# Allegro board RK3576_TEMPLATE_LP4XD200P132SD6_24X34_2133MHz_H1R0_V11_20240529YWQ.brd (continued)
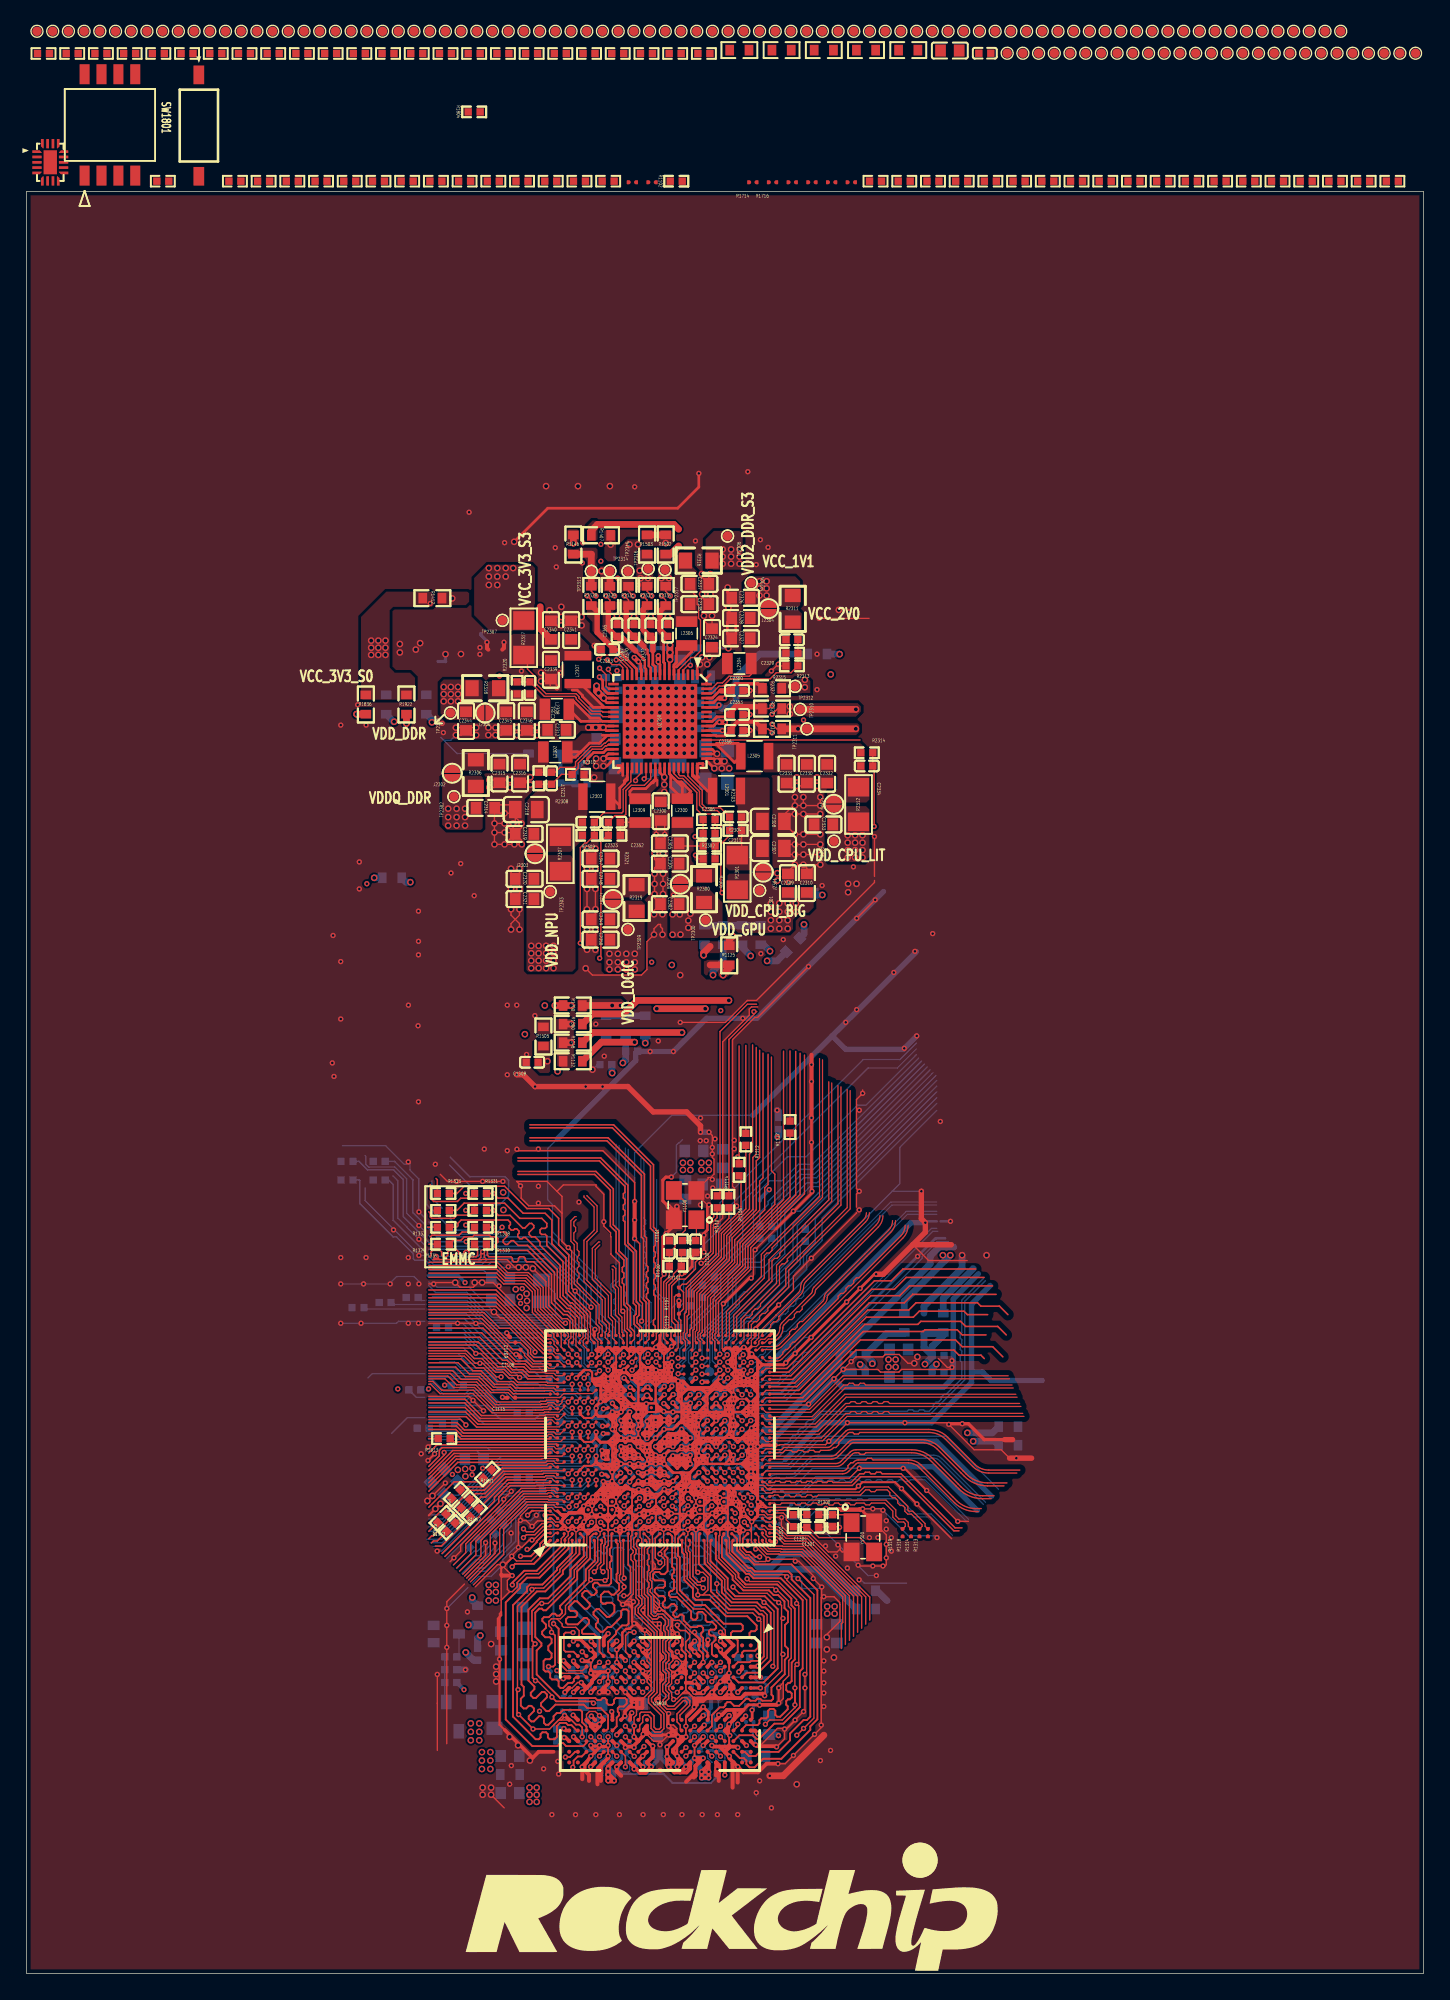
[diagram p0: board, top side]
## Placement (name value [footprint] x y rotation side) (continued)
NOREF  -  []  33.02 -0.51 0 top
Q3800  NC/WNM2016-3/TR  [SOT_23]  32.5 19.3 0 bottom
Q3801  WNM2021-3/TR  [SOT_323]  31.56 25.51 90 bottom
R1100  22R  [R0402]  49.31 54.65 270 top
R1101  510K  [R0402]  48.78 53.17 180 top
R1102  43K  [R0402]  48.85 134.75 0 top
R1103  100K  [R0402]  10.24 134.75 0 top
R1104  10K  [R0402]  44.45 144.35 0 top
R1106  0R  [R0402]  52.81 58.01 90 top
R1107  0R  [R0201]  49.05 51.28 270 top
R1109  0R  [R0402]  58.55 55.5 90 bottom
R1110  0R  [R0402]  51.92 58.01 90 top
R1111  0R  [R0402]  14.22 144.35 0 top
R1112  0R  [R0402]  54.08 62.71 90 top
R1114  0R  [R0402]  53.57 60.42 90 top
R1115  0R  [R0402]  16.38 144.35 0 top
R1116  0R  [R0402]  51.71 51.91 90 bottom
R1117  0R  [R0402]  55.14 55.72 90 bottom
R1118  0R  [R0402]  56.03 55.72 90 bottom
R1119  0.1R  [R0603]  50.96 78.07 270 bottom
R1120  0R  [R0402]  49.04 48.1 90 bottom
R1122  0R  [R0402]  50.82 51.28 90 bottom
R1123  0R  [R0402]  49.93 50.64 90 bottom
R1125  0.1R  [R0603]  52.83 76.54 90 top
R1130  0R  [R0402]  68.15 134.75 0 top
R1131  0R  [R0402]  70.31 134.75 0 top
R1132  0.1R  [R0603]  41.06 68.58 0 top
R1133  0R  [R0402]  72.47 134.75 0 top
R1136  0.1R  [R0603]  46.52 71.28 270 bottom
R1137  0R  [R0402]  57.4 63.63 90 top
R1140  0R  [R0402]  74.63 134.75 0 top
R1141  0.1R  [R0603]  56.77 144.6 0 top
R1145  0.1R  [R0603]  53.59 144.6 0 top
R1146  0.1R  [R0603]  41.11 107.43 270 top
R1148  0.1R  [R0603]  41.06 69.98 180 top
R1200  240R  [R0201]  49.01 35.81 270 bottom
R1201  240R  [R0201]  45.53 36.1 90 bottom
R1202  0R  [R0402]  33.91 24 90 bottom
R1203  NC/0R  [R0201]  43.56 36.55 180 bottom
R1300  22R  [R0402]  59.12 34.49 0 top
R1301  8.2K  [R0201]  53.59 36.49 315 bottom
R1302  510K  [R0402]  57.64 34.04 270 top
R1303  0R  [R0201]  56.51 35.66 0 bottom
R1304  0R  [R0201]  54.92 33.45 0 bottom
R1305  0R  [R0201]  56.51 36.3 0 bottom
R1306  0R  [R0201]  56.92 33.78 0 bottom
R1307  0R  [R0201]  57.78 34.62 0 bottom
R1308  0.1R  [R0603]  73.82 41.11 0 bottom
R1309  0R  [R0201]  57.78 35.26 0 bottom
R1310  0R  [R0201]  43.22 47.39 90 bottom
R1313  0R  [R0201]  67.77 33.14 270 top
R1314  0R  [R0201]  67.14 33.14 270 top
R1318  0R  [R0201]  66.5 33.14 270 top
R1319  0R  [R0201]  65.87 33.14 270 top
R1320  0.1R  [R0603]  63.1 27.39 0 bottom
R1323  0.1R  [R0603]  63.1 28.77 0 bottom
R1324  0.1R  [R0603]  73.82 39.71 0 bottom
R1328  0R  [R0402]  34.13 57.37 180 top
R1329  0R  [R0402]  31.34 56.1 180 top
R1330  0R  [R0402]  34.13 56.1 180 top
R1331  0R  [R0402]  34.13 58.64 180 top
R1332  0R  [R0402]  31.34 57.37 180 top
R1333  0R  [R0402]  31.34 58.64 180 top
R1334  0R  [R0402]  31.34 54.83 180 top
R1335  0R  [R0402]  34.13 54.83 180 top
R1336  0R  [R0402]  26.51 61.05 180 bottom
R1337  0R  [R0402]  26.51 59.65 180 bottom
R1338  0R  [R0402]  24.1 61.05 180 bottom
R1339  0R  [R0402]  24.1 59.65 180 bottom
R1346  0.1R  [R0603]  30.06 95.4 90 bottom
R1353  22R  [R0402]  39.75 44.68 180 bottom
R1354  0.1R  [R0603]  27.48 82.37 180 bottom
R1356  NC/0R  [R0402]  15.66 134.75 0 top
R1357  NC/0R  [R0402]  17.82 134.75 0 top
R1358  NC/0R  [R0402]  26.46 134.75 0 top
R1359  NC/0R  [R0402]  19.98 134.75 0 top
R1362  NC/0R  [R0402]  22.14 134.75 0 top
R1363  NC/0R  [R0402]  24.3 134.75 0 top
R1400  8.2K  [R0201]  54.44 40.65 0 bottom
R1401  200R  [R0201]  54.1 38.13 0 bottom
R1402  200R  [R0201]  54.96 41.53 270 bottom
R1403  0.1R  [R0603]  65.99 48.91 90 bottom
R1404  0.1R  [R0603]  58.49 81.23 180 bottom
R1405  10K  [R0402]  42.29 144.35 0 top
R1406  20K  [R0402]  37.97 144.35 0 top
R1407  0.1R  [R0603]  43.19 108.12 180 top
R1409  0.1R  [R0603]  68.92 48.91 90 bottom
R1412  0.1R  [R0603]  30.51 103.4 180 top
R1500  0.1R  [R0603]  41.06 71.37 180 top
R1501  0.1R  [R0603]  52.38 78.07 90 bottom
R1502  0.1R  [R0603]  48.05 107.43 270 top
R1503  NC/0.1R  [R0603]  46.66 107.43 270 top
R1504  0.1R  [R0603]  57.64 77.32 45 bottom
R1505  0.1R  [R0603]  38.86 70.44 90 top
R1506  0.1R  [R0603]  55.21 78.07 90 bottom
R1507  0.1R  [R0603]  43.57 71.28 90 bottom
R1600  8.2K  [R0201]  53.28 45.13 90 bottom
R1602  0.1R  [R0603]  53.79 78.07 90 bottom
R1700  0.1R  [R0603]  41.06 72.77 180 top
R1701  0.1R  [R0603]  45.04 71.28 90 bottom
R1702  0.1R  [R0603]  59.94 144.6 0 top
R1704  0R  [R0201]  57.57 134.67 0 top
R1706  0R  [R0201]  59.05 134.67 0 top
R1707  100K  [R0402]  40.13 144.35 0 top
R1709  0R  [R0201]  60.53 134.67 0 top
R1711  0R  [R0201]  62.01 134.67 0 top
R1712  10K  [R0402]  46.61 144.35 0 top
R1714  0R  [R0201]  54.61 134.67 0 top
R1716  0R  [R0201]  56.09 134.67 0 top
R1719  NC/0R  [R0201]  45.55 134.67 0 top
R1720  NC/0R  [R0201]  47.03 134.67 0 top
R1800  2.2K  [R0402]  28.62 134.75 0 top
R1801  2.2K  [R0402]  30.78 134.75 0 top
R1802  0R  [R0402]  35.22 34.44 225 bottom
R1803  0R  [R0402]  35.57 33.37 225 bottom
R1804  0R  [R0402]  33.66 139.95 0 top
R1806  0R  [R0402]  33.65 32.35 225 bottom
R1807  0R  [R0402]  76.79 134.75 0 top
R1808  0R  [R0402]  18.54 144.35 0 top
R1810  0R  [R0402]  20.7 144.35 0 top
R1812  0.1R  [R0603]  63.12 144.6 0 top
R1813  0R  [R0402]  39.73 46.61 135 bottom
R1814  0R  [R0402]  22.86 144.35 0 top
R1815  0R  [R0402]  26.95 50.44 180 bottom
R1816  0R  [R0402]  24.92 50.06 180 bottom
R1817  0R  [R0402]  25.02 144.35 0 top
R1818  0R  [R0402]  12.06 144.35 0 top
R1819  0R  [R0402]  31.27 48.56 180 bottom
R1820  0R  [R0402]  78.95 134.75 0 top
R1821  0R  [R0402]  27.18 144.35 0 top
R1822  0R  [R0402]  81.11 134.75 0 top
R1823  0R  [R0402]  28.99 50.82 180 bottom
R1824  0R  [R0402]  83.26 134.75 0 top
R1826  0.1R  [R0603]  66.29 144.6 0 top
R1827  0R  [R0402]  29.34 144.35 0 top
R1830  0R  [R0402]  85.42 134.75 0 top
R1832  0R  [R0402]  87.58 134.75 0 top
R1834  0R  [R0402]  89.74 134.75 0 top
R1836  0.1R  [R0603]  25.51 95.4 90 top
R1842  0R  [R0402]  65.99 134.75 0 top
R1845  2.2K  [R0402]  32.93 134.75 0 top
R1846  2.2K  [R0402]  35.09 134.75 0 top
R1904  0R  [R0402]  1.27 144.35 0 top
R1907  0R  [R0402]  3.43 144.35 0 top
R1908  0R  [R0402]  5.59 144.35 0 top
R1909  4.7K  [R0402]  48.77 144.35 0 top
R1910  4.7K  [R0402]  50.93 144.35 0 top
R1911  0R  [R0402]  63.83 134.75 0 top
R1912  0R  [R0402]  31.5 144.35 0 top
R1913  0R  [R0402]  31.4 40.21 180 top
R1914  0R  [R0402]  39.65 41.45 180 bottom
R1915  0R  [R0402]  91.9 134.75 0 top
R1916  2.2K  [R0402]  29.19 43.87 180 bottom
R1917  2.2K  [R0402]  32.4 44.22 0 bottom
R1918  0R  [R0402]  33.66 144.35 0 top
R1919  0R  [R0402]  35.81 144.35 0 top
R1920  0R  [R0402]  29.82 40.99 180 bottom
R1921  0R  [R0402]  31.72 41.32 180 bottom
R1922  0.1R  [R0603]  28.56 95.4 90 top
R1924  0R  [R0402]  7.75 144.35 0 top
R1925  0R  [R0402]  9.91 144.35 0 top
R1926  2.2K  [R0402]  37.25 134.75 0 top
R1927  2.2K  [R0402]  39.41 134.75 0 top
R1928  0R  [R0402]  32.28 36.03 225 top
R1929  0R  [R0402]  33 35.32 225 top
R1930  0R  [R0402]  31.22 34.22 225 top
R1931  0R  [R0402]  34.65 37.56 225 top
R1932  0R  [R0402]  33.68 34.63 225 top
R1933  0R  [R0402]  31.91 33.54 225 top
R1934  2.2K  [R0402]  41.57 134.75 0 top
R1935  2.2K  [R0402]  43.73 134.75 0 top
R1937  0.1R  [R0603]  27.03 95.4 90 bottom
R1938  0R  [R0402]  94.06 134.75 0 top
R1939  0R  [R0402]  96.22 134.75 0 top
R1942  0R  [R0402]  98.38 134.75 0 top
R1943  0R  [R0402]  100.54 134.75 0 top
R1946  0R  [R0402]  102.7 134.75 0 top
R1949  0R  [R0402]  37.34 42.16 180 bottom
R1951  0R  [R0402]  39.24 36.32 180 bottom
R1952  0R  [R0402]  39.75 39.32 180 bottom
R1953  0R  [R0402]  37.34 37.26 180 bottom
R2300  0.02R  [R0805]  50.94 81.52 90 top
R2301  0.01R  [R1206]  53.44 82.78 270 top
R2302  49.9K  [R0402]  51.32 84.76 0 top
R2303  NC/100R  [R0402]  51.32 86.74 0 top
R2304  100R  [R0402]  53.31 85.93 180 top
R2305  100K  [R0402]  51.32 83.79 180 top
R2306  0.02R  [R0805]  33.78 90.24 90 top
R2307  0.01R  [R1206]  40.13 84.17 270 top
R2308  22K  [R0402]  38.52 89.85 270 top
R2309  NC/100R  [R0402]  42.24 85.57 0 top
R2310  100K  [R0402]  41.46 90.15 0 top
R2311  0.02R  [R0805]  57.61 102.59 270 top
R2312  0.01R  [R1206]  62.56 87.88 270 top
R2313  120K  [R0402]  57.54 99.27 0 top
R2314  100R  [R0402]  63.18 91.77 0 top
R2315  100K  [R0402]  57.54 98.3 180 top
R2316  0.02R  [R0805]  50.54 106.22 180 top
R2317  0.01R  [R1206]  37.38 100.42 90 top
R2318  0.02R  [R0805]  34.49 96.63 0 top
R2319  0.02R  [R0805]  45.87 80.85 270 top
R2320  100R  [R0402]  36.88 96.65 90 top
R2321  100R  [R0402]  44.19 85.57 180 top
R2322  0.02R  [R0603]  56.05 95.1 0 top
R2324  0R  [R0402]  46.61 99.63 180 bottom
R2325  0.05R  [R0603]  56.05 93.57 0 top
R2326  0.02R  [R0603]  59.46 99.19 0 bottom
R2327  0.05R  [R0603]  56.05 96.62 0 top
R2328  0.05R  [R0603]  42.46 103.56 90 top
R2329  0.05R  [R0603]  43.86 103.56 90 top
R2330  200K  [R0402]  40.17 89.95 270 bottom
R2331  0.02R  [R0603]  45.26 103.56 90 top
R2332  200K  [R0402]  41.69 89.45 0 bottom
R2333  0.02R  [R0603]  46.66 103.56 90 top
R2334  0.05R  [R0603]  48.05 103.56 90 top
R3802  240R  [R0201]  54.38 21.46 0 bottom
R3804  240R  [R0201]  54.38 20.17 0 bottom
R3805  NC/0R  [R0805]  35.18 19.43 90 bottom
R3806  0R  [R0603]  36.35 14.95 0 bottom
R3807  0R  [R0805]  37.49 24.96 270 bottom
R3809  0R  [R0603]  33.91 26.92 90 bottom
R3810  100K  [R0402]  31.9 21.87 180 bottom
R3811  10K  [R0402]  31.9 23.8 0 bottom
S1700  Dial_Switch_1  [SW2_2R88X5R40X2R30]  12.95 138.93 0 top
SW1801  Dial_Switch_4  [SW8_5R68X5R40X2R30]  6.27 138.98 0 top
TP1100  TP_0.7  [TP_0R70]  96.45 146.02 0 top
TP1101  TP_0.7  [TP_0R70]  98.81 146.02 0 top
TP1102  TP_0.7  [TP_0R70]  97.63 146.02 0 top
TP1103  TP_0.7  [TP_0R70]  73.73 144.37 0 top
TP1104  TP_0.7  [TP_0R70]  51.36 45.24 180 bottom
TP1105  TP_0.7  [TP_0R70]  74.91 144.37 0 top
TP1106  TP_0.7  [TP_0R70]  76.09 144.37 0 top
TP1107  TP_0.7  [TP_0R70]  77.27 144.37 0 top
TP1108  TP_0.7  [TP_0R70]  78.46 144.37 0 top
TP1109  TP_0.7  [TP_0R70]  79.64 144.37 0 top
TP1110  TP_0.7  [TP_0R70]  80.82 144.37 0 top
TP1111  TP_0.7  [TP_0R70]  82 144.37 0 top
TP1400  TP_0.7  [TP_0R70]  55.5 40.01 270 bottom
TP1401  TP_0.7  [TP_0R70]  55.75 41.78 270 bottom
TP1402  TP_0.7  [TP_0R70]  83.18 144.37 0 top
TP1403  TP_0.7  [TP_0R70]  84.36 144.37 0 top
TP1404  TP_0.7  [TP_0R70]  85.54 144.37 0 top
TP1405  TP_0.7  [TP_0R70]  86.72 144.37 0 top
TP1406  TP_0.7  [TP_0R70]  87.9 144.37 0 top
TP1407  TP_0.7  [TP_0R70]  89.09 144.37 0 top
TP1408  TP_0.7  [TP_0R70]  90.27 144.37 0 top
TP1409  TP_0.7  [TP_0R70]  91.45 144.37 0 top
TP1410  TP_0.7  [TP_0R70]  92.63 144.37 0 top
TP1411  TP_0.7  [TP_0R70]  93.81 144.37 0 top
TP1412  TP_0.7  [TP_0R70]  94.99 144.37 0 top
TP1413  TP_0.7  [TP_0R70]  96.17 144.37 0 top
TP1414  TP_0.7  [TP_0R70]  97.35 144.37 0 top
TP1415  TP_0.7  [TP_0R70]  98.53 144.37 0 top
TP1500  TP_0.7  [TP_0R70]  99.72 144.37 0 top
TP1501  TP_0.7  [TP_0R70]  100.9 144.37 0 top
TP1502  TP_0.7  [TP_0R70]  102.08 144.37 0 top
TP1503  TP_0.7  [TP_0R70]  103.26 144.37 0 top
TP1504  TP_0.7  [TP_0R70]  104.44 144.37 0 top
TP1505  TP_0.7  [TP_0R70]  0.78 146.02 0 top
TP1506  TP_0.7  [TP_0R70]  1.96 146.02 0 top
TP1507  TP_0.7  [TP_0R70]  3.14 146.02 0 top
TP1508  TP_0.7  [TP_0R70]  4.32 146.02 0 top
TP1509  TP_0.7  [TP_0R70]  5.51 146.02 0 top
TP1510  TP_0.7  [TP_0R70]  6.69 146.02 0 top
TP1511  TP_0.7  [TP_0R70]  7.87 146.02 0 top
TP1512  TP_0.7  [TP_0R70]  9.05 146.02 0 top
TP1513  TP_0.7  [TP_0R70]  10.23 146.02 0 top
TP1514  TP_0.7  [TP_0R70]  11.41 146.02 0 top
TP1515  TP_0.7  [TP_0R70]  12.59 146.02 0 top
TP1516  TP_0.7  [TP_0R70]  13.77 146.02 0 top
TP1517  TP_0.7  [TP_0R70]  14.95 146.02 0 top
TP1518  TP_0.7  [TP_0R70]  16.14 146.02 0 top
TP1519  TP_0.7  [TP_0R70]  17.32 146.02 0 top
TP1520  TP_0.7  [TP_0R70]  18.5 146.02 0 top
TP1521  TP_0.7  [TP_0R70]  19.68 146.02 0 top
TP1522  TP_0.7  [TP_0R70]  20.86 146.02 0 top
TP1523  TP_0.7  [TP_0R70]  22.04 146.02 0 top
TP1524  TP_0.7  [TP_0R70]  23.22 146.02 0 top
TP1525  TP_0.7  [TP_0R70]  24.4 146.02 0 top
TP1526  TP_0.7  [TP_0R70]  25.58 146.02 0 top
TP1527  TP_0.7  [TP_0R70]  26.77 146.02 0 top
TP1528  TP_0.7  [TP_0R70]  27.95 146.02 0 top
TP1529  TP_0.7  [TP_0R70]  29.13 146.02 0 top
TP1530  TP_0.7  [TP_0R70]  30.31 146.02 0 top
TP1531  TP_0.7  [TP_0R70]  31.49 146.02 0 top
TP1532  TP_0.7  [TP_0R70]  32.67 146.02 0 top
TP1533  TP_0.7  [TP_0R70]  33.85 146.02 0 top
TP1534  TP_0.7  [TP_0R70]  35.03 146.02 0 top
TP1535  TP_0.7  [TP_0R70]  36.21 146.02 0 top
TP1536  TP_0.7  [TP_0R70]  37.4 146.02 0 top
TP1537  TP_0.7  [TP_0R70]  38.58 146.02 0 top
TP1538  TP_0.7  [TP_0R70]  39.76 146.02 0 top
TP1539  TP_0.7  [TP_0R70]  40.94 146.02 0 top
TP1540  TP_0.7  [TP_0R70]  42.12 146.02 0 top
TP1541  TP_0.7  [TP_0R70]  43.3 146.02 0 top
TP1542  TP_0.7  [TP_0R70]  44.48 146.02 0 top
TP1543  TP_0.7  [TP_0R70]  45.66 146.02 0 top
TP1600  TP_0.7  [TP_0R70]  46.84 146.02 0 top
TP1601  TP_0.7  [TP_0R70]  48.03 146.02 0 top
TP1602  TP_0.7  [TP_0R70]  49.21 146.02 0 top
TP1603  TP_0.7  [TP_0R70]  50.39 146.02 0 top
TP1604  TP_0.7  [TP_0R70]  51.57 146.02 0 top
TP1605  TP_0.7  [TP_0R70]  52.75 146.02 0 top
TP1606  TP_0.7  [TP_0R70]  53.93 146.02 0 top
TP1607  TP_0.7  [TP_0R70]  55.11 146.02 0 top
TP1608  TP_0.7  [TP_0R70]  56.29 146.02 0 top
TP1609  TP_0.7  [TP_0R70]  57.47 146.02 0 top
TP1800  TP_0.7  [TP_0R70]  58.65 146.02 0 top
TP1801  TP_0.7  [TP_0R70]  59.84 146.02 0 top
TP1802  TP_0.7  [TP_0R70]  61.02 146.02 0 top
TP1803  TP_0.7  [TP_0R70]  62.2 146.02 0 top
TP1804  TP_0.7  [TP_0R70]  63.38 146.02 0 top
TP1805  TP_0.7  [TP_0R70]  64.56 146.02 0 top
TP1806  TP_0.7  [TP_0R70]  65.74 146.02 0 top
TP1807  TP_0.7  [TP_0R70]  66.92 146.02 0 top
TP1808  TP_0.7  [TP_0R70]  68.1 146.02 0 top
TP1900  TP_0.7  [TP_0R70]  69.28 146.02 0 top
TP1901  TP_0.7  [TP_0R70]  70.47 146.02 0 top
TP1902  TP_0.7  [TP_0R70]  71.65 146.02 0 top
TP1903  TP_0.7  [TP_0R70]  72.83 146.02 0 top
TP1904  TP_0.7  [TP_0R70]  74.01 146.02 0 top
TP1905  TP_0.7  [TP_0R70]  75.19 146.02 0 top
TP1906  TP_0.7  [TP_0R70]  76.37 146.02 0 top
TP1907  TP_0.7  [TP_0R70]  77.55 146.02 0 top
TP1908  TP_0.7  [TP_0R70]  78.73 146.02 0 top
TP1909  TP_0.7  [TP_0R70]  79.91 146.02 0 top
TP1910  TP_0.7  [TP_0R70]  81.1 146.02 0 top
TP1911  TP_0.7  [TP_0R70]  82.28 146.02 0 top
TP1912  TP_0.7  [TP_0R70]  83.46 146.02 0 top
TP1913  TP_0.7  [TP_0R70]  84.64 146.02 0 top
TP1914  TP_0.7  [TP_0R70]  85.82 146.02 0 top
TP1915  TP_0.7  [TP_0R70]  87 146.02 0 top
TP1916  TP_0.7  [TP_0R70]  88.18 146.02 0 top
TP1917  TP_0.7  [TP_0R70]  89.36 146.02 0 top
TP1918  TP_0.7  [TP_0R70]  90.54 146.02 0 top
TP1919  TP_0.7  [TP_0R70]  91.73 146.02 0 top
TP1920  TP_0.7  [TP_0R70]  92.91 146.02 0 top
TP1921  TP_0.7  [TP_0R70]  94.09 146.02 0 top
TP1922  TP_0.7  [TP_0R70]  95.27 146.02 0 top
TP2300  TP_0.7  [TP_0R70]  51.05 79.2 90 top
TP2301  TP_0.7  [TP_0R70]  55.12 81.42 90 top
TP2302  TP_0.7  [TP_0R70]  32.13 88.47 90 top
TP2303  TP_0.7  [TP_0R70]  39.37 81.32 90 top
TP2304  TP_0.7  [TP_0R70]  54.48 104.54 90 top
TP2305  TP_0.7  [TP_0R70]  60.71 85.12 90 top
TP2306  TP_0.7  [TP_0R70]  52.7 108.07 90 top
TP2307  TP_0.7  [TP_0R70]  35.78 101.73 0 top
TP2308  TP_0.7  [TP_0R70]  31.88 94.77 90 top
TP2309  TP_0.7  [TP_0R70]  45.21 78.49 90 top
TP2310  TP_0.7  [TP_0R70]  58.17 95.04 90 top
TP2311  TP_0.7  [TP_0R70]  58.67 93.57 270 top
TP2312  TP_0.7  [TP_0R70]  57.78 96.76 90 top
TP2313  TP_0.7  [TP_0R70]  42.46 105.41 90 top
TP2314  TP_0.7  [TP_0R70]  43.86 105.44 90 top
TP2315  TP_0.7  [TP_0R70]  45.21 105.41 90 top
TP2316  TP_0.7  [TP_0R70]  46.74 105.61 90 top
TP2317  TP_0.7  [TP_0R70]  48.01 105.54 90 top
TP2318  TP_0.7  [TP_0R70]  44.65 99.29 180 bottom
U1000  RK3576  [BGA698_16R1X17R2X1R08]  47.62 40.26 90 top
U1700  GMA340  [QFN18L_2R00X2R80X0R567_T]  1.78 136.17 0 top
U2300  RK806S-5  [QFN68_7R00X7R00X0R80_T]  47.62 94.13 270 top
U3800  LPDDR4_200P  [BGA200_15R00X10R00X0R90]  47.62 20.26 270 top
Y1100  24MHz  [CRY4_3R20X2R50X0R80]  49.52 57.76 90 top
Y1300  26MHz  [CRY4_3R20X2R50X0R80]  62.88 32.79 270 top

## Library data of the parts
C1000-C1007 C1009-C1013 C1015-C1018 C1020-C1024 C1026-C1030 C1032-C1037 C1039 C1040 C1100-C1119 C1200-C1214 C1300-C1309 C1400 C1402 C1404-C1406 C1408 C1409 C1500-C1510 C1600-C1603 C1700-C1706 C1800-C1802 C1901 C1903 C2300 C2301 C2304-C2308 C2311-C2313 C2315-C2319 C2323-C2325 C2327-C2332 C2334-C2343 C2345-C2348 C2351-C2372 C3801-C3845 = CAP NP
C1008 C1014 C1031 C1038 C1401 C1403 C1407 C1900 C1902 C2302 C2309 C2310 C2314 C2320 C2321 C2326 C2333 C2344 C2349 C2350 C3800 = CAP NP_NC
D2300 = DIODE ZENER2
D2301 = DIODE
J2300-J2307 = JM_0
L2300-L2309 = INDUCTORS OF FERRITE
Q3800 Q3801 = MOSFET N
R1100 R1101 R1104 R1106 R1107 R1109-R1112 R1114-R1120 R1122 R1123 R1125 R1130-R1133 R1136 R1137 R1140 R1141 R1145 R1146 R1148 R1202 R1300-R1302 R1304 R1306 R1308 R1320 R1323 R1324 R1400-R1407 R1409 R1412 R1500-R1502 R1504-R1507 R1600 R1602 R1700-R1702 R1707 R1712 R1800-R1804 R1806-R1808 R1810 R1812 R1814-R1824 R1826 R1827 R1830 R1832 R1834 R1836 R1842 R1845 R1846 R1904 R1907-R1911 R1916 R1917 R1920-R1922 R1924-R1927 R1934 R1935 R1937-R1939 R1942 R1943 R1946 R1949 R1951-R1953 R2300 R2301 R2303-R2307 R2309-R2322 R2324-R2334 R3806 R3807 R3809-R3811 = RESISTOR5
R1102 R1103 R2302 R2308 = RESISTOR1
R1200 R1201 R1203 R1503 R3805 = RESISTOR5_NC
R1303 R1305 R1307 R1309 R1310 R1313 R1314 R1318 R1319 R1346 R1353 R1354 R1704 R1706 R1709 R1711 R1714 R1716 R1813 R1912-R1915 R1918 R1919 R1928-R1933 = RESISTOR5: signal model: RESISTOR5_R0201_0R_0R
R1328-R1339 = RESISTOR5: signal model: RESISTOR5_R0402_0R_0R
R1356-R1359 R1362 R1363 = RESISTOR5_NC: signal model: RESISTOR5_NC_R0402_NC/0R_NC/0R
R1719 R1720 = RESISTOR5_NC: signal model: RESISTOR5_NC_R0201_NC/0R_NC/0R
R3802 R3804 = RESISTOR5_NC: signal model: RESISTOR_R0201_49.9R_49.9R
S1700 = Dial_Switch_1
SW1801 = Dial_Switch_4
TP1100-TP1111 TP1400-TP1415 TP1500-TP1543 TP1600-TP1609 TP1800-TP1808 TP1900-TP1922 TP2300-TP2318 = TP
U1000 = SOC_RK3576
U1700 = GMA340
U2300 = PMIC_RK806S-5
U3800 = LPDDR4_1
Y1100 Y1300 = CRYSTAL_4P

## Footprints (pads in the part's own frame, mm; a bottom-side part is the same pattern mirrored in y, then rotated)
BGA200_15R00X10R00X0R90
  round 0.3 smd: A1(-4.4,6.825) A2(-3.6,6.825) A3(-2.8,6.825) A4(-2,6.825) A5(-1.2,6.825) A8(1.2,6.825) A9(2,6.825) A10(2.8,6.825) A11(3.6,6.825) A12(4.4,6.825) AA1(-4.4,-6.175) AA2(-3.6,-6.175) AA3(-2.8,-6.175) AA4(-2,-6.175) AA5(-1.2,-6.175) AA8(1.2,-6.175) AA9(2,-6.175) AA10(2.8,-6.175) AA11(3.6,-6.175) AA12(4.4,-6.175) AB1(-4.4,-6.825) AB2(-3.6,-6.825) AB3(-2.8,-6.825) AB4(-2,-6.825) AB5(-1.2,-6.825) AB8(1.2,-6.825) AB9(2,-6.825) AB10(2.8,-6.825) AB11(3.6,-6.825) AB12(4.4,-6.825) B1(-4.4,6.175) B2(-3.6,6.175) B3(-2.8,6.175) B4(-2,6.175) B5(-1.2,6.175) B8(1.2,6.175) B9(2,6.175) B10(2.8,6.175) B11(3.6,6.175) B12(4.4,6.175) C1(-4.4,5.525) C2(-3.6,5.525) C3(-2.8,5.525) C4(-2,5.525) C5(-1.2,5.525) C8(1.2,5.525) C9(2,5.525) C10(2.8,5.525) C11(3.6,5.525) C12(4.4,5.525) D1(-4.4,4.875) D2(-3.6,4.875) D3(-2.8,4.875) D4(-2,4.875) D5(-1.2,4.875) D8(1.2,4.875) D9(2,4.875) D10(2.8,4.875) D11(3.6,4.875) D12(4.4,4.875) E1(-4.4,4.225) E2(-3.6,4.225) E3(-2.8,4.225) E4(-2,4.225) E5(-1.2,4.225) E8(1.2,4.225) E9(2,4.225) E10(2.8,4.225) E11(3.6,4.225) E12(4.4,4.225) F1(-4.4,3.575) F2(-3.6,3.575) F3(-2.8,3.575) F4(-2,3.575) F5(-1.2,3.575) F8(1.2,3.575) F9(2,3.575) F10(2.8,3.575) F11(3.6,3.575) F12(4.4,3.575) G1(-4.4,2.925) G2(-3.6,2.925) G3(-2.8,2.925) G4(-2,2.925) G5(-1.2,2.925) G8(1.2,2.925) G9(2,2.925) G10(2.8,2.925) G11(3.6,2.925) G12(4.4,2.925) H1(-4.4,2.275) H2(-3.6,2.275) H3(-2.8,2.275) H4(-2,2.275) H5(-1.2,2.275) H8(1.2,2.275) H9(2,2.275) H10(2.8,2.275) H11(3.6,2.275) H12(4.4,2.275) J1(-4.4,1.625) J2(-3.6,1.625) J3(-2.8,1.625) J4(-2,1.625) J5(-1.2,1.625) J8(1.2,1.625) J9(2,1.625) J10(2.8,1.625) J11(3.6,1.625) J12(4.4,1.625) K1(-4.4,0.975) K2(-3.6,0.975) K3(-2.8,0.975) K4(-2,0.975) K5(-1.2,0.975) K8(1.2,0.975) K9(2,0.975) K10(2.8,0.975) K11(3.6,0.975) K12(4.4,0.975) N1(-4.4,-0.975) N2(-3.6,-0.975) N3(-2.8,-0.975) N4(-2,-0.975) N5(-1.2,-0.975) N8(1.2,-0.975) N9(2,-0.975) N10(2.8,-0.975) N11(3.6,-0.975) N12(4.4,-0.975) P1(-4.4,-1.625) P2(-3.6,-1.625) P3(-2.8,-1.625) P4(-2,-1.625) P5(-1.2,-1.625) P8(1.2,-1.625) P9(2,-1.625) P10(2.8,-1.625) P11(3.6,-1.625) P12(4.4,-1.625) R1(-4.4,-2.275) R2(-3.6,-2.275) R3(-2.8,-2.275) R4(-2,-2.275) R5(-1.2,-2.275) R8(1.2,-2.275) R9(2,-2.275) R10(2.8,-2.275) R11(3.6,-2.275) R12(4.4,-2.275) T1(-4.4,-2.925) T2(-3.6,-2.925) T3(-2.8,-2.925) T4(-2,-2.925) T5(-1.2,-2.925) T8(1.2,-2.925) T9(2,-2.925) T10(2.8,-2.925) T11(3.6,-2.925) T12(4.4,-2.925) U1(-4.4,-3.575) U2(-3.6,-3.575) U3(-2.8,-3.575) U4(-2,-3.575) U5(-1.2,-3.575) U8(1.2,-3.575) U9(2,-3.575) U10(2.8,-3.575) U11(3.6,-3.575) U12(4.4,-3.575) V1(-4.4,-4.225) V2(-3.6,-4.225) V3(-2.8,-4.225) V4(-2,-4.225) V5(-1.2,-4.225) V8(1.2,-4.225) V9(2,-4.225) V10(2.8,-4.225) V11(3.6,-4.225) V12(4.4,-4.225) W1(-4.4,-4.875) W2(-3.6,-4.875) W3(-2.8,-4.875) W4(-2,-4.875) W5(-1.2,-4.875) W8(1.2,-4.875) W9(2,-4.875) W10(2.8,-4.875) W11(3.6,-4.875) W12(4.4,-4.875) Y1(-4.4,-5.525) Y2(-3.6,-5.525) Y3(-2.8,-5.525) Y4(-2,-5.525) Y5(-1.2,-5.525) Y8(1.2,-5.525) Y9(2,-5.525) Y10(2.8,-5.525) Y11(3.6,-5.525) Y12(4.4,-5.525)
BGA698_16R1X17R2X1R08
  round 0.245 smd: 1A1(-7.2,7.2) 1A2(-6.6,7.2) 1A3(-6,7.2) 1A4(-5.4,7.2) 1A5(-4.8,7.2) 1A6(-4.2,7.2) 1A7(-3.6,7.2) 1A8(-3,7.2) 1A9(-2.4,7.2) 1A10(-1.8,7.2) 1A11(-1.2,7.2) 1A12(-0.6,7.2) 1A13(0,7.2) 1A14(0.6,7.2) 1A15(1.2,7.2) 1A16(1.8,7.2) 1A17(2.4,7.2) 1A18(3,7.2) 1A19(3.6,7.2) 1A20(4.2,7.2) 1A21(4.8,7.2) 1A22(5.4,7.2) 1A23(6,7.2) 1A24(6.6,7.2) 1AA1(-7.2,-4.8) 1AA2(-6.6,-4.8) 1AA3(-6,-4.8) 1AA4(-5.4,-4.8) 1AA5(-4.8,-4.8) 1AA6(-4.2,-4.8) 1AA20(4.2,-4.8) 1AA21(4.8,-4.8) 1AA22(5.4,-4.8) 1AA23(6,-4.8) 1AA24(6.6,-4.8) 1AB1(-7.2,-5.4) 1AB2(-6.6,-5.4) 1AB3(-6,-5.4) 1AB4(-5.4,-5.4) 1AB5(-4.8,-5.4) 1AB6(-4.2,-5.4) 1AB20(4.2,-5.4) 1AB21(4.8,-5.4) 1AB22(5.4,-5.4) 1AB23(6,-5.4) 1AB24(6.6,-5.4) 1AC1(-7.2,-6) 1AC2(-6.6,-6) 1AC3(-6,-6) 1AC4(-5.4,-6) 1AC5(-4.8,-6) 1AC6(-4.2,-6) 1AC20(4.2,-6) 1AC21(4.8,-6) 1AC22(5.4,-6) 1AC23(6,-6) 1AC24(6.6,-6) 1AD1(-7.2,-6.6) 1AD2(-6.6,-6.6) 1AD3(-6,-6.6) 1AD4(-5.4,-6.6) 1AD5(-4.8,-6.6) 1AD6(-4.2,-6.6) 1AD20(4.2,-6.6) 1AD21(4.8,-6.6) 1AD22(5.4,-6.6) 1AD23(6,-6.6) 1AD24(6.6,-6.6) 1AE1(-7.2,-7.2) 1AE2(-6.6,-7.2) 1AE3(-6,-7.2) 1AE4(-5.4,-7.2) 1AE6(-4.2,-7.2) 1AE20(4.2,-7.2) 1AE21(4.8,-7.2) 1AE23(6,-7.2) 1AE24(6.6,-7.2) 1B1(-7.2,6.6) 1B2(-6.6,6.6) 1B3(-6,6.6) 1B5(-4.8,6.6) 1B6(-4.2,6.6) 1B7(-3.6,6.6) 1B9(-2.4,6.6) 1B10(-1.8,6.6) 1B12(-0.6,6.6) 1B13(0,6.6) 1B15(1.2,6.6) 1B16(1.8,6.6) 1B18(3,6.6) 1B19(3.6,6.6) 1B21(4.8,6.6) 1B22(5.4,6.6) 1B23(6,6.6) 1B24(6.6,6.6) 1C1(-7.2,6) 1C2(-6.6,6) 1C3(-6,6) 1C4(-5.4,6) 1C5(-4.8,6) 1C6(-4.2,6) 1C7(-3.6,6) 1C9(-2.4,6) 1C10(-1.8,6) 1C12(-0.6,6) 1C13(0,6) 1C15(1.2,6) 1C16(1.8,6) 1C18(3,6) 1C19(3.6,6) 1C21(4.8,6) 1C22(5.4,6) 1C23(6,6) 1C24(6.6,6) 1D1(-7.2,5.4) 1D2(-6.6,5.4) 1D3(-6,5.4) 1D4(-5.4,5.4) 1D5(-4.8,5.4) 1D6(-4.2,5.4) 1D7(-3.6,5.4) 1D9(-2.4,5.4) 1D10(-1.8,5.4) 1D12(-0.6,5.4) 1D13(0,5.4) 1D15(1.2,5.4) 1D16(1.8,5.4) 1D18(3,5.4) 1D19(3.6,5.4) 1D21(4.8,5.4) 1D22(5.4,5.4) 1D23(6,5.4) 1D24(6.6,5.4) 1E1(-7.2,4.8) 1E2(-6.6,4.8) 1E3(-6,4.8) 1E4(-5.4,4.8) 1E5(-4.8,4.8) 1E6(-4.2,4.8) 1E7(-3.6,4.8) 1E9(-2.4,4.8) 1E10(-1.8,4.8) 1E12(-0.6,4.8) 1E13(0,4.8) 1E15(1.2,4.8) 1E16(1.8,4.8) 1E18(3,4.8) 1E19(3.6,4.8) 1E21(4.8,4.8) 1E22(5.4,4.8) 1E23(6,4.8) 1E24(6.6,4.8) 1F1(-7.2,4.2) 1F2(-6.6,4.2) 1F3(-6,4.2) 1F4(-5.4,4.2) 1F5(-4.8,4.2) 1F6(-4.2,4.2) 1F20(4.2,4.2) 1F21(4.8,4.2) 1F22(5.4,4.2) 1F23(6,4.2) 1F24(6.6,4.2) 1G1(-7.2,3.6) 1G2(-6.6,3.6) 1G3(-6,3.6) 1G4(-5.4,3.6) 1G5(-4.8,3.6) 1G6(-4.2,3.6) 1G20(4.2,3.6) 1G21(4.8,3.6) 1G22(5.4,3.6) 1G23(6,3.6) 1G24(6.6,3.6) 1H1(-7.2,3) 1H2(-6.6,3) 1H3(-6,3) 1H4(-5.4,3) 1H5(-4.8,3) 1H6(-4.2,3) 1H20(4.2,3) 1H21(4.8,3) 1H22(5.4,3) 1H23(6,3) 1H24(6.6,3) 1J1(-7.2,2.4) 1J2(-6.6,2.4) 1J3(-6,2.4) 1J4(-5.4,2.4) 1J5(-4.8,2.4) 1J6(-4.2,2.4) 1J20(4.2,2.4) 1J21(4.8,2.4) 1J22(5.4,2.4) 1J23(6,2.4) 1J24(6.6,2.4) 1K1(-7.2,1.8) 1K2(-6.6,1.8) 1K3(-6,1.8) 1K4(-5.4,1.8) 1K5(-4.8,1.8) 1K6(-4.2,1.8) 1K20(4.2,1.8) 1K21(4.8,1.8) 1K22(5.4,1.8) 1K23(6,1.8) 1K24(6.6,1.8) 1L1(-7.2,1.2) 1L2(-6.6,1.2) 1L3(-6,1.2) 1L4(-5.4,1.2) 1L5(-4.8,1.2) 1L6(-4.2,1.2) 1L20(4.2,1.2) 1L21(4.8,1.2) 1L22(5.4,1.2) 1L23(6,1.2) 1L24(6.6,1.2) 1M1(-7.2,0.6) 1M2(-6.6,0.6) 1M3(-6,0.6) 1M4(-5.4,0.6) 1M5(-4.8,0.6) 1M6(-4.2,0.6) 1M20(4.2,0.6) 1M21(4.8,0.6) 1M22(5.4,0.6) 1M23(6,0.6) 1M24(6.6,0.6) 1N1(-7.2,0) 1N2(-6.6,0) 1N3(-6,0) 1N4(-5.4,0) 1N5(-4.8,0) 1N6(-4.2,0) 1N20(4.2,0) 1N21(4.8,0) 1N22(5.4,0) 1N23(6,0) 1N24(6.6,0) 1P1(-7.2,-0.6) 1P2(-6.6,-0.6) 1P3(-6,-0.6) 1P4(-5.4,-0.6) 1P5(-4.8,-0.6) 1P6(-4.2,-0.6) 1P20(4.2,-0.6) 1P21(4.8,-0.6) 1P22(5.4,-0.6) 1P23(6,-0.6) 1P24(6.6,-0.6) 1R1(-7.2,-1.2) 1R2(-6.6,-1.2) 1R3(-6,-1.2) 1R4(-5.4,-1.2) 1R5(-4.8,-1.2) 1R6(-4.2,-1.2) 1R24(6.6,-1.2) 1T1(-7.2,-1.8) 1T2(-6.6,-1.8) 1T3(-6,-1.8) 1T4(-5.4,-1.8) 1T5(-4.8,-1.8) 1T6(-4.2,-1.8) 1T20(4.2,-1.8) 1T21(4.8,-1.8) 1T22(5.4,-1.8) 1T23(6,-1.8) 1T24(6.6,-1.8) 1U1(-7.2,-2.4) 1U2(-6.6,-2.4) 1U3(-6,-2.4) 1U4(-5.4,-2.4) 1U5(-4.8,-2.4) 1U6(-4.2,-2.4) 1U20(4.2,-2.4) 1U21(4.8,-2.4) 1U22(5.4,-2.4) 1U23(6,-2.4) 1U24(6.6,-2.4) 1V1(-7.2,-3) 1V2(-6.6,-3) 1V3(-6,-3) 1V4(-5.4,-3) 1V5(-4.8,-3) 1V6(-4.2,-3) 1V24(6.6,-3) 1W1(-7.2,-3.6) 1W2(-6.6,-3.6) 1W3(-6,-3.6) 1W4(-5.4,-3.6) 1W5(-4.8,-3.6) 1W6(-4.2,-3.6) 1W20(4.2,-3.6) 1W21(4.8,-3.6) 1W22(5.4,-3.6) 1W23(6,-3.6) 1W24(6.6,-3.6) 1Y1(-7.2,-4.2) 1Y2(-6.6,-4.2) 1Y3(-6,-4.2) 1Y4(-5.4,-4.2) 1Y5(-4.8,-4.2) 1Y6(-4.2,-4.2) 1Y20(4.2,-4.2) 1Y21(4.8,-4.2) 1Y22(5.4,-4.2) 1Y23(6,-4.2) 1Y24(6.6,-4.2) 2A1(-3.575,3.9) 2A2(-2.925,3.9) 2A3(-2.275,3.9) 2A4(-1.625,3.9) 2A5(-0.975,3.9) 2A6(-0.325,3.9) 2A7(0.325,3.9) 2A8(0.975,3.9) 2A9(1.625,3.9) 2A10(2.275,3.9) 2A11(2.925,3.9) 2A12(3.575,3.9) 2B1(-3.575,3.25) 2B2(-2.925,3.25) 2B3(-2.275,3.25) 2B4(-1.625,3.25) 2B5(-0.975,3.25) 2B6(-0.325,3.25) 2B7(0.325,3.25) 2B8(0.975,3.25) 2B9(1.625,3.25) 2B10(2.275,3.25) 2B11(2.925,3.25) 2B12(3.575,3.25) 2C1(-3.575,2.6) 2C2(-2.925,2.6) 2C3(-2.275,2.6) 2C4(-1.625,2.6) 2C5(-0.975,2.6) 2C6(-0.325,2.6) 2C7(0.325,2.6) 2C8(0.975,2.6) 2C9(1.625,2.6) 2C10(2.275,2.6) 2C11(2.925,2.6) 2C12(3.575,2.6) 2D1(-3.575,1.95) 2D2(-2.925,1.95) 2D3(-2.275,1.95) 2D4(-1.625,1.95) 2D5(-0.975,1.95) 2D6(-0.325,1.95) 2D7(0.325,1.95) 2D8(0.975,1.95) 2D9(1.625,1.95) 2D10(2.275,1.95) 2D11(2.925,1.95) 2D12(3.575,1.95) 2E1(-3.575,1.3) 2E2(-2.925,1.3) 2E3(-2.275,1.3) 2E4(-1.625,1.3) 2E5(-0.975,1.3) 2E6(-0.325,1.3) 2E7(0.325,1.3) 2E8(0.975,1.3) 2E9(1.625,1.3) 2E10(2.275,1.3) 2E11(2.925,1.3) 2E12(3.575,1.3) 2F1(-3.575,0.65) 2F2(-2.925,0.65) 2F3(-2.275,0.65) 2F4(-1.625,0.65) 2F5(-0.975,0.65) 2F6(-0.325,0.65) 2F7(0.325,0.65) 2F8(0.975,0.65) 2F9(1.625,0.65) 2F10(2.275,0.65) 2F11(2.925,0.65) 2F12(3.575,0.65) 2G1(-3.575,0) 2G2(-2.925,0) 2G3(-2.275,0) 2G4(-1.625,0) 2G5(-0.975,0) 2G6(-0.325,0) 2G7(0.325,0) 2G8(0.975,0) 2G9(1.625,0) 2G10(2.275,0) 2G11(2.925,0) 2G12(3.575,0) 2H1(-3.575,-0.65) 2H2(-2.925,-0.65) 2H3(-2.275,-0.65) 2H4(-1.625,-0.65) 2H5(-0.975,-0.65) 2H6(-0.325,-0.65) 2H7(0.325,-0.65) 2H8(0.975,-0.65) 2H9(1.625,-0.65) 2H10(2.275,-0.65) 2H11(2.925,-0.65) 2H12(3.575,-0.65) 2J1(-3.575,-1.3) 2J2(-2.925,-1.3) 2J3(-2.275,-1.3) 2J4(-1.625,-1.3) 2J5(-0.975,-1.3) 2J6(-0.325,-1.3) 2J7(0.325,-1.3) 2J8(0.975,-1.3) 2J9(1.625,-1.3) 2J10(2.275,-1.3) 2J11(2.925,-1.3) 2J12(3.575,-1.3) 2K1(-3.575,-1.95) 2K2(-2.925,-1.95) 2K3(-2.275,-1.95) 2K4(-1.625,-1.95) 2K5(-0.975,-1.95) 2K6(-0.325,-1.95) 2K7(0.325,-1.95) 2K8(0.975,-1.95) 2K9(1.625,-1.95) 2K10(2.275,-1.95) 2K11(2.925,-1.95) 2K12(3.575,-1.95) 2L1(-3.575,-2.6) 2L2(-2.925,-2.6) 2L3(-2.275,-2.6) 2L4(-1.625,-2.6) 2L5(-0.975,-2.6) 2L6(-0.325,-2.6) 2L7(0.325,-2.6) 2L8(0.975,-2.6) 2L9(1.625,-2.6) 2L10(2.275,-2.6) 2L11(2.925,-2.6) 2L12(3.575,-2.6) 2M1(-3.575,-3.25) 2M2(-2.925,-3.25) 2M3(-2.275,-3.25) 2M4(-1.625,-3.25) 2M5(-0.975,-3.25) 2M6(-0.325,-3.25) 2M7(0.325,-3.25) 2M8(0.975,-3.25) 2M9(1.625,-3.25) 2M10(2.275,-3.25) 2M11(2.925,-3.25) 2M12(3.575,-3.25) 2N1(-3.575,-3.9) 2N2(-2.925,-3.9) 2N3(-2.275,-3.9) 2N4(-1.625,-3.9) 2N5(-0.975,-3.9) 2N6(-0.325,-3.9) 2N7(0.325,-3.9) 2N8(0.975,-3.9) 2N9(1.625,-3.9) 2N10(2.275,-3.9) 2N11(2.925,-3.9) 2N12(3.575,-3.9) 2P1(-3.575,-4.55) 2P2(-2.925,-4.55) 2P3(-2.275,-4.55) 2P4(-1.625,-4.55) 2P5(-0.975,-4.55) 2P6(-0.325,-4.55) 2P7(0.325,-4.55) 2P8(0.975,-4.55) 2P9(1.625,-4.55) 2P10(2.275,-4.55) 2P11(2.925,-4.55) 2P12(3.575,-4.55) 2R1(-3.575,-5.2) 2R2(-2.925,-5.2) 2R3(-2.275,-5.2) 2R4(-1.625,-5.2) 2R5(-0.975,-5.2) 2R6(-0.325,-5.2) 2R7(0.325,-5.2) 2R8(0.975,-5.2) 2R9(1.625,-5.2) 2R10(2.275,-5.2) 2R11(2.925,-5.2) 2R12(3.575,-5.2) 2T1(-3.575,-5.85) 2T2(-2.925,-5.85) 2T3(-2.275,-5.85) 2T4(-1.625,-5.85) 2T5(-0.975,-5.85) 2T6(-0.325,-5.85) 2T7(0.325,-5.85) 2T8(0.975,-5.85) 2T9(1.625,-5.85) 2T10(2.275,-5.85) 2T11(2.925,-5.85) 2T12(3.575,-5.85) 2U1(-3.575,-6.5) 2U2(-2.925,-6.5) 2U3(-2.275,-6.5) 2U4(-1.625,-6.5) 2U5(-0.975,-6.5) 2U6(-0.325,-6.5) 2U7(0.325,-6.5) 2U8(0.975,-6.5) 2U9(1.625,-6.5) 2U10(2.275,-6.5) 2U11(2.925,-6.5) 2U12(3.575,-6.5) 2V1(-3.575,-7.15) 2V2(-2.925,-7.15) 2V3(-2.275,-7.15) 2V4(-1.625,-7.15) 2V5(-0.975,-7.15) 2V6(-0.325,-7.15) 2V7(0.325,-7.15) 2V8(0.975,-7.15) 2V9(1.625,-7.15) 2V10(2.275,-7.15) 2V11(2.925,-7.15) 2V12(3.575,-7.15) A1(-7.7,8.25) A2(-7.15,8.25) A3(-6.6,8.25) A4(-6.05,8.25) A5(-5.5,8.25) A7(-4.4,8.25) A9(-3.3,8.25) A11(-2.2,8.25) A13(-1.1,8.25) A15(0,8.25) A17(1.1,8.25) A19(2.2,8.25) A21(3.3,8.25) A23(4.4,8.25) A25(5.5,8.25) A26(6.05,8.25) A27(6.6,8.25) A28(7.15,8.25) A29(7.7,8.25) AA28(7.15,-2.75) AB1(-7.7,-3.3) AB28(7.15,-3.3) AB29(7.7,-3.3) AC1(-7.7,-3.85) AC28(7.15,-3.85) AD28(7.15,-4.4) AD29(7.7,-4.4) AE1(-7.7,-4.95) AE28(7.15,-4.95) AE29(7.7,-4.95) AF1(-7.7,-5.5) AF28(7.15,-5.5) AF29(7.7,-5.5) AG28(7.15,-6.05) AG29(7.7,-6.05) AH1(-7.7,-6.6) AH28(7.15,-6.6) AH29(7.7,-6.6) AJ1(-7.7,-7.15) AJ28(7.15,-7.15) AJ29(7.7,-7.15) AK1(-7.7,-7.7) AK2(-7.15,-7.7) AK3(-6.6,-7.7) AK4(-6.05,-7.7) AK5(-5.5,-7.7) AK6(-4.95,-7.7) AK7(-4.4,-7.7) AK8(-3.85,-7.7) AK9(-3.3,-7.7) AK10(-2.75,-7.7) AK11(-2.2,-7.7) AK12(-1.65,-7.7) AK13(-1.1,-7.7) AK14(-0.55,-7.7) AK15(0,-7.7) AK16(0.55,-7.7) AK17(1.1,-7.7) AK18(1.65,-7.7) AK19(2.2,-7.7) AK20(2.75,-7.7) AK21(3.3,-7.7) AK22(3.85,-7.7) AK23(4.4,-7.7) AK24(4.95,-7.7) AK25(5.5,-7.7) AK26(6.05,-7.7) AK27(6.6,-7.7) AK28(7.15,-7.7) AK29(7.7,-7.7) AL1(-7.7,-8.25) AL2(-7.15,-8.25) AL3(-6.6,-8.25) AL4(-6.05,-8.25) AL5(-5.5,-8.25) AL6(-4.95,-8.25) AL7(-4.4,-8.25) AL8(-3.85,-8.25) AL9(-3.3,-8.25) AL10(-2.75,-8.25) AL11(-2.2,-8.25) AL12(-1.65,-8.25) AL13(-1.1,-8.25) AL14(-0.55,-8.25) AL15(0,-8.25) AL16(0.55,-8.25) AL17(1.1,-8.25) AL18(1.65,-8.25) AL19(2.2,-8.25) AL20(2.75,-8.25) AL21(3.3,-8.25) AL22(3.85,-8.25) AL23(4.4,-8.25) AL24(4.95,-8.25) AL25(5.5,-8.25) AL26(6.05,-8.25) AL28(7.15,-8.25) AL29(7.7,-8.25) B1(-7.7,7.7) B2(-7.15,7.7) B3(-6.6,7.7) B4(-6.05,7.7) B5(-5.5,7.7) B6(-4.95,7.7) B7(-4.4,7.7) B8(-3.85,7.7) B9(-3.3,7.7) B10(-2.75,7.7) B11(-2.2,7.7) B12(-1.65,7.7) B13(-1.1,7.7) B14(-0.55,7.7) B15(0,7.7) B16(0.55,7.7) B17(1.1,7.7) B18(1.65,7.7) B19(2.2,7.7) B20(2.75,7.7) B21(3.3,7.7) B22(3.85,7.7) B23(4.4,7.7) B24(4.95,7.7) B25(5.5,7.7) B26(6.05,7.7) B27(6.6,7.7) B28(7.15,7.7) B29(7.7,7.7) C1(-7.7,7.15) C28(7.15,7.15) C29(7.7,7.15) D1(-7.7,6.6) D28(7.15,6.6) E1(-7.7,6.05) E28(7.15,6.05) E29(7.7,6.05) F28(7.15,5.5) G1(-7.7,4.95) G28(7.15,4.95) G29(7.7,4.95) H1(-7.7,4.4) H28(7.15,4.4) H29(7.7,4.4) J28(7.15,3.85) J29(7.7,3.85) K1(-7.7,3.3) K28(7.15,3.3) K29(7.7,3.3) L1(-7.7,2.75) L28(7.15,2.75) L29(7.7,2.75) M28(7.15,2.2) M29(7.7,2.2) N1(-7.7,1.65) N28(7.15,1.65) N29(7.7,1.65) P1(-7.7,1.1) P28(7.15,1.1) P29(7.7,1.1) R28(7.15,0.55) R29(7.7,0.55) T1(-7.7,0) T28(7.15,0) T29(7.7,0) U1(-7.7,-0.55) U28(7.15,-0.55) U29(7.7,-0.55) V28(7.15,-1.1) V29(7.7,-1.1) W1(-7.7,-1.65) W28(7.15,-1.65) Y1(-7.7,-2.2) Y28(7.15,-2.2) Y29(7.7,-2.2)
